# Altium PCB MainBoard.PcbDoc (part 1 of 4) (continued)
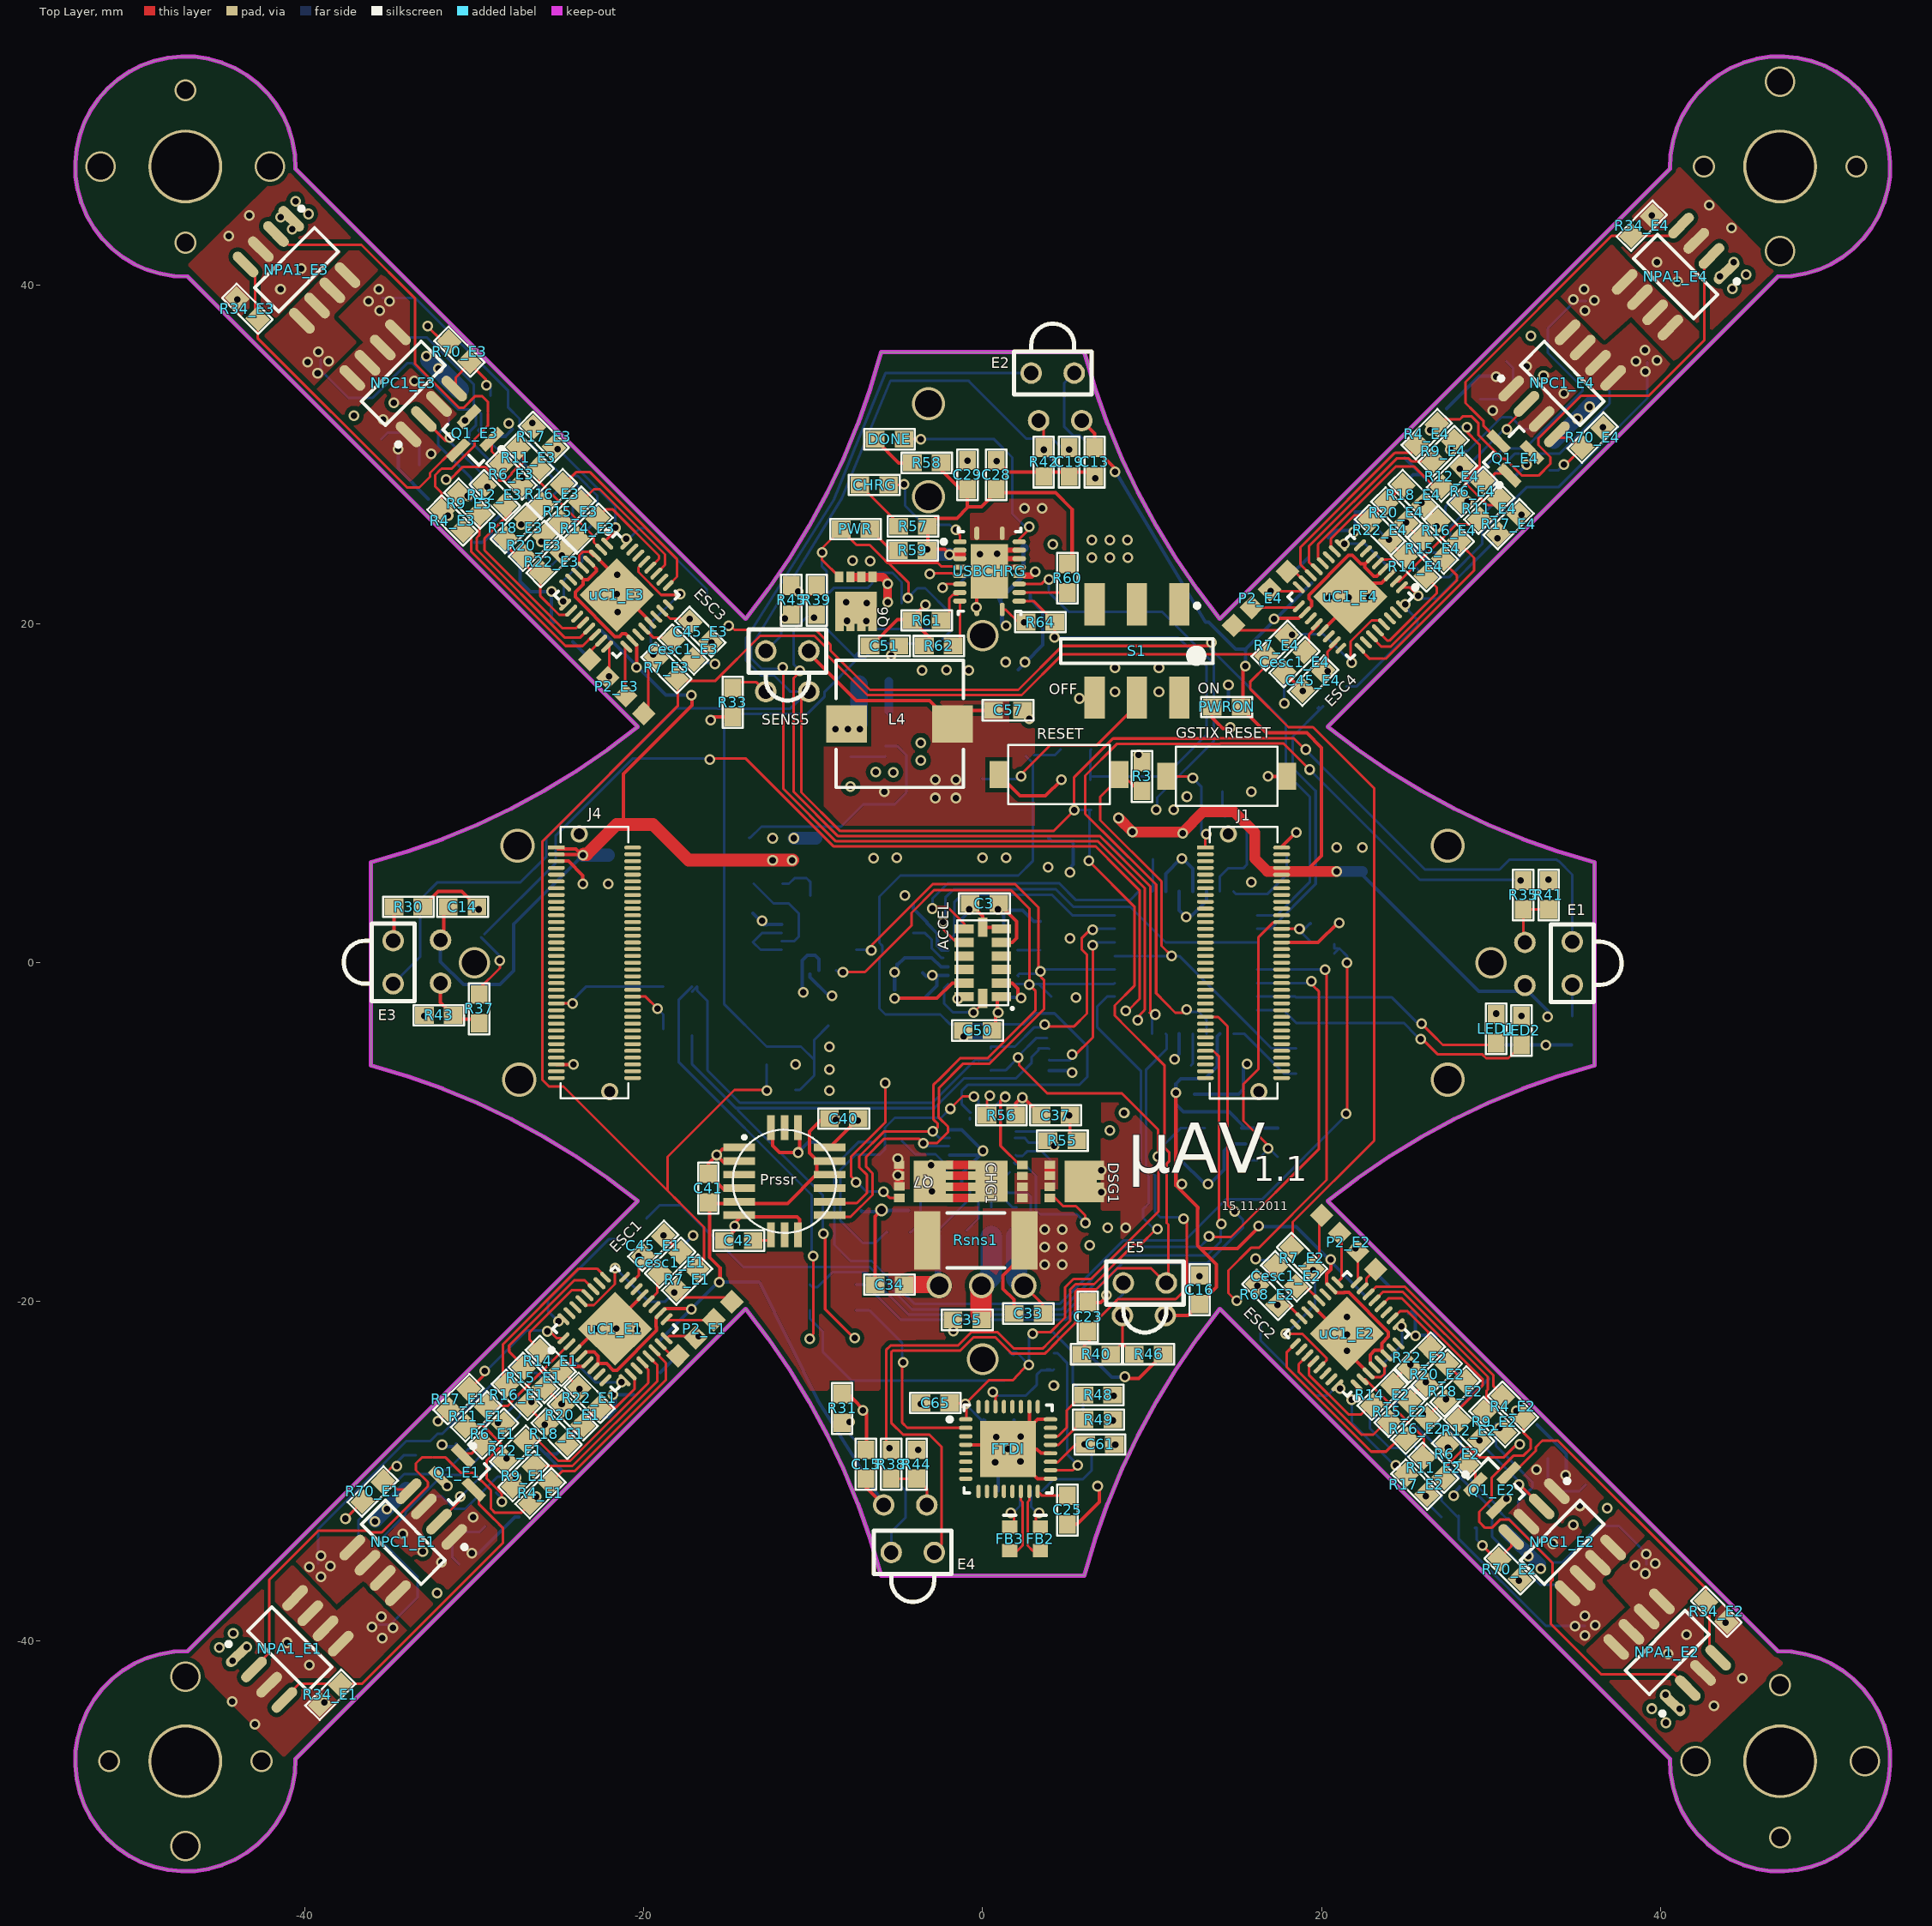
[diagram p0: Top Layer view]
## Components (designator, comment, footprint, x,y, rotation, side; value= is the part's Value field where it differs from the comment) (continued)
PWRON "LED0" 0603_RES 14.4,15.1 r180 top (schematic designator "PWR ON")
Q1_E1 "BC817-25" SOT-23 -30.683,-30.429 r315 top (schematic designator Q1)
Q1_E2 "BC817-25" SOT-23 30.4,-30.8 r45 top (schematic designator Q1)
Q1_E3 "BC817-25" SOT-23 -30.302,30.912 r225 top (schematic designator Q1)
Q1_E4 "BC817-25" SOT-23 31.1,30.1 r135 top (schematic designator Q1)
Q2_E1 "BC817-25" SOT-23 -28.7,-32.7 r225 bottom (schematic designator Q2)
Q2_E2 "BC817-25" SOT-23 32.7,-28.6 r315 bottom (schematic designator Q2)
Q2_E3 "BC817-25" SOT-23 -32.7,28.7 r135 bottom (schematic designator Q2)
Q2_E4 "BC817-25" SOT-23 28.7,32.7 r45 bottom (schematic designator Q2)
Q3_E1 "BC817-25" SOT-23 -32.512,-28.55 r225 bottom (schematic designator Q3)
Q3_E2 "BC817-25" SOT-23 28.4,-32.7 r315 bottom (schematic designator Q3)
Q3_E3 "BC817-25" SOT-23 -28.321,32.461 r135 bottom (schematic designator Q3)
Q3_E4 "BC817-25" SOT-23 32.5,28.4 r45 bottom (schematic designator Q3)
Q4 "FDN-306P" SOT-23 6.3,8.1 r90 bottom
Q5 "MOSFET-P" CSD16321Q5_PFET#1 -7.5,21.3 r90 bottom
Q6 "MOSFET-P" CSD16321Q5_PFET#2 -7.48,21.33 r90 top
Q7 "MOSFET-P" CSD16321Q5_PFET#3 -3.5,-12.9 r180 top
Q8 "MOSFET-N" CSD16321Q5 -6.3,-5.6 r180 bottom
Q10 "MOSFET-N" CSD16321Q5 -11.8,10.1 r270 bottom
R1 "Rpull" 0603_RES -11.9,-7.5 r0 bottom
R2 "Rpull" 0603_RES -11.9,-6 r0 bottom
R3 "Rpull" 0603_RES 9.4,11 r90 top
R4_E1 "Rpull" 0603_RES -26.1,-31.3 r225 top (schematic designator R4)
R4_E2 "Rpull" 0603_RES 31.3,-26.2 r315 top (schematic designator R4)
R4_E3 "Rpull" 0603_RES -31.3,26.1 r135 top (schematic designator R4)
R4_E4 "Rpull" 0603_RES 26.2,31.2 r45 top (schematic designator R4)
R5_E1 "Rpull" 0603_RES -25.425,-30.709 r225 bottom (schematic designator R5)
R5_E2 "Rpull" 0603_RES 30.7,-25.6 r315 bottom (schematic designator R5)
R5_E3 "Rpull" 0603_RES -30.6,25.4 r135 bottom (schematic designator R5)
R5_E4 "Rpull" 0603_RES 25.5,30.4 r45 bottom (schematic designator R5)
R6_E1 "Rdrive" 0603_RES -28.9,-27.8 r225 top (schematic designator R6)
R6_E2 "Rdrive" 0603_RES 28,-29 r315 top (schematic designator R6)
R6_E3 "Rdrive" 0603_RES -27.825,28.825 r135 top (schematic designator R6)
R6_E4 "Rdrive" 0603_RES 28.9,27.8 r45 top (schematic designator R6)
R7_E1 "Rpull" 0603_RES -17.45,-18.7 r45 top (schematic designator R7)
R7_E2 "Rpull" 0603_RES 18.847,-17.424 r135 top (schematic designator R7)
R7_E3 "Rpull" 0603_RES -18.669,17.399 r315 top (schematic designator R7)
R7_E4 "Rpull" 0603_RES 17.348,18.72 r225 top (schematic designator R7)
R8_E1 "Rpull" 0603_RES -20.45,-15.7 r45 bottom (schematic designator R8)
R8_E2 "Rpull" 0603_RES 15.8,-20.7 r135 bottom (schematic designator R8)
R8_E3 "Rpull" 0603_RES -15.646,20.549 r315 bottom (schematic designator R8)
R8_E4 "Rpull" 0603_RES 20.5,15.6 r225 bottom (schematic designator R8)
R9_E1 "Rpull" 0603_RES -27.1,-30.3 r225 top (schematic designator R9)
R9_E2 "Rpull" 0603_RES 30.2,-27.1 r315 top (schematic designator R9)
R9_E3 "Rpull" 0603_RES -30.3,27.1 r135 top (schematic designator R9)
R9_E4 "Rpull" 0603_RES 27.2,30.2 r45 top (schematic designator R9)
R10_E1 "Rpull" 0603_RES -26.492,-29.743 r225 bottom (schematic designator R10)
R10_E2 "Rpull" 0603_RES 29.7,-26.6 r315 bottom (schematic designator R10)
R10_E3 "Rpull" 0603_RES -29.6,26.4 r135 bottom (schematic designator R10)
R10_E4 "Rpull" 0603_RES 26.5,29.4 r45 bottom (schematic designator R10)
R11_E1 "Rdrive" 0603_RES -29.896,-26.772 r225 top (schematic designator R11)
R11_E2 "Rdrive" 0603_RES 26.6,-29.8 r315 top (schematic designator R11)
R11_E3 "Rdrive" 0603_RES -26.8,29.8 r135 top (schematic designator R11)
R11_E4 "Rdrive" 0603_RES 29.9,26.8 r45 top (schematic designator R11)
R12_E1 "Rpull" 0603_RES -27.6,-28.8 r225 top (schematic designator R12)
R12_E2 "Rpull" 0603_RES 28.7,-27.6 r315 top (schematic designator R12)
R12_E3 "Rpull" 0603_RES -28.8,27.6 r135 top (schematic designator R12)
R12_E4 "Rpull" 0603_RES 27.7,28.7 r45 top (schematic designator R12)
R13_E1 "Rpull" 0603_RES -27.508,-28.702 r225 bottom (schematic designator R13)
R13_E2 "Rpull" 0603_RES 28.7,-27.6 r315 bottom (schematic designator R13)
R13_E3 "Rpull" 0603_RES -28.6,27.5 r135 bottom (schematic designator R13)
R13_E4 "Rpull" 0603_RES 27.6,28.5 r45 bottom (schematic designator R13)
R14_E1 "Rpull" 0603_RES -25.5,-23.5 r135 top (schematic designator R14)
R14_E2 "Rpull" 0603_RES 23.6,-25.5 r225 top (schematic designator R14)
R14_E3 "Rpull" 0603_RES -23.317,25.629 r45 top (schematic designator R14)
R14_E4 "Rpull" 0603_RES 25.552,23.393 r315 top (schematic designator R14)
R15_E1 "Rpull" 0603_RES -26.5,-24.5 r135 top (schematic designator R15)
R15_E2 "Rpull" 0603_RES 24.6,-26.5 r225 top (schematic designator R15)
R15_E3 "Rpull" 0603_RES -24.333,26.619 r45 top (schematic designator R15)
R15_E4 "Rpull" 0603_RES 26.568,24.435 r315 top (schematic designator R15)
R16_E1 "Rpull" 0603_RES -27.5,-25.5 r135 top (schematic designator R16)
R16_E2 "Rpull" 0603_RES 25.6,-27.5 r225 top (schematic designator R16)
R16_E3 "Rpull" 0603_RES -25.425,27.661 r45 top (schematic designator R16)
R16_E4 "Rpull" 0603_RES 27.508,25.502 r315 top (schematic designator R16)
R17_E1 "Rpull" 0603_RES -30.937,-25.756 r225 top (schematic designator R17)
R17_E2 "Rpull" 0603_RES 25.6,-30.8 r315 top (schematic designator R17)
R17_E3 "Rpull" 0603_RES -25.908,31.039 r135 top (schematic designator R17)
R17_E4 "Rpull" 0603_RES 31.039,25.883 r45 top (schematic designator R17)
R18_E1 "Rpull" 0603_RES -25.15,-27.8 r315 top (schematic designator R18)
R18_E2 "Rpull" 0603_RES 27.9,-25.3 r45 top (schematic designator R18)
R18_E3 "Rpull" 0603_RES -27.559,25.654 r225 top (schematic designator R18)
R18_E4 "Rpull" 0603_RES 25.425,27.61 r135 top (schematic designator R18)
R19_E1 "Rpull" 0603_RES -26.746,-26.264 r225 bottom (schematic designator R19)
R19_E2 "Rpull" 0603_RES 26.3,-26.9 r315 bottom (schematic designator R19)
R19_E3 "Rpull" 0603_RES -26.1,26.9 r135 bottom (schematic designator R19)
R19_E4 "Rpull" 0603_RES 26.924,26.086 r45 bottom (schematic designator R19)
R20_E1 "Rpull" 0603_RES -24.2,-26.7 r315 top (schematic designator R20)
R20_E2 "Rpull" 0603_RES 26.8,-24.3 r45 top (schematic designator R20)
R20_E3 "Rpull" 0603_RES -26.492,24.613 r225 top (schematic designator R20)
R20_E4 "Rpull" 0603_RES 24.409,26.568 r135 top (schematic designator R20)
R21_E1 "Rpull" 0603_RES -27.762,-25.171 r225 bottom (schematic designator R21)
R21_E2 "Rpull" 0603_RES 24.9,-27.8 r315 bottom (schematic designator R21)
R21_E3 "Rpull" 0603_RES -25.019,27.915 r135 bottom (schematic designator R21)
R21_E4 "Rpull" 0603_RES 27.965,24.943 r45 bottom (schematic designator R21)
R22_E1 "Rpull" 0603_RES -23.216,-25.679 r315 top (schematic designator R22)
R22_E2 "Rpull" 0603_RES 25.8,-23.3 r45 top (schematic designator R22)
R22_E3 "Rpull" 0603_RES -25.451,23.647 r225 top (schematic designator R22)
R22_E4 "Rpull" 0603_RES 23.444,25.527 r135 top (schematic designator R22)
R23_E1 "Rpull" 0603_RES -24.9,-24 r135 bottom (schematic designator R23)
R23_E2 "Rpull" 0603_RES 24.1,-24.8 r225 bottom (schematic designator R23)
R23_E3 "Rpull" 0603_RES -24,24.8 r45 bottom (schematic designator R23)
R23_E4 "Rpull" 0603_RES 24.7,23.9 r315 bottom (schematic designator R23)
R24_E1 "Rpull" 0603_RES -22.7,-26.2 r315 bottom (schematic designator R24)
R24_E2 "Rpull" 0603_RES 26.3,-22.7 r45 bottom (schematic designator R24)
R24_E3 "Rpull" 0603_RES -26.2,22.6 r225 bottom (schematic designator R24)
R24_E4 "Rpull" 0603_RES 22.606,26.01 r135 bottom (schematic designator R24)
R25_E1 "Rpull" 0603_RES -24.079,-26.822 r315 bottom (schematic designator R25)
R25_E2 "Rpull" 0603_RES 27,-24 r45 bottom (schematic designator R25)
R25_E3 "Rpull" 0603_RES -26.7,24.1 r225 bottom (schematic designator R25)
R25_E4 "Rpull" 0603_RES 24.105,26.518 r135 bottom (schematic designator R25)
R26_E1 "Rpull" 0603_RES -25.07,-27.838 r315 bottom (schematic designator R26)
R26_E2 "Rpull" 0603_RES 28,-25 r45 bottom (schematic designator R26)
R26_E3 "Rpull" 0603_RES -27.7,25.1 r225 bottom (schematic designator R26)
R26_E4 "Rpull" 0603_RES 25.248,27.432 r135 bottom (schematic designator R26)
R27 "Res1" 0603_RES 9.2,6.1 r180 bottom
R28 "Res1" 0603_RES 34.8,-4 r90 bottom
R29 "Res1" 0603_RES 6.7,29.35 r90 bottom
R30 "Res1" 0603_RES -33.9,3.3 r180 top
R31 "Res1" 0603_RES -8.3,-26.3 r270 top
R32 "Res1" 0603_RES 6.2,-22.2 r90 bottom
R33 "Res1" 0603_RES -14.757,15.367 r90 top
R34_E1 "Rpull" 0603_RES -38.5,-43.2 r45 top (schematic designator R34)
R34_E2 "Rpull" 0603_RES 43.3,-38.3 r135 top (schematic designator R34)
R34_E3 "Rpull" 0603_RES -43.4,38.6 r315 top (schematic designator R34)
R34_E4 "Rpull" 0603_RES 38.9,43.5 r225 top (schematic designator R34)
R35 "Res1" 0603_RES 31.9,4 r270 top
R36 "Res1" 0603_RES 5.2,29.35 r270 bottom
R37 "Res1" 0603_RES -29.718,-2.718 r270 top
R38 "Res1" 0603_RES -5.4,-29.6 r270 top
R39 "Res1" 0603_RES -9.8,21.4 r90 top
R40 "Res1" 0603_RES 6.7,-23.1 r0 top
R41 "Res1" 0603_RES 33.4,4 r270 top
R42 "Res1" 0603_RES 3.6,29.55 r90 top
R43 "Res1" 0603_RES -32.1,-3.1 r0 top
R44 "Res1" 0603_RES -3.9,-29.6 r270 top
R45 "Res1" 0603_RES -11.3,21.4 r270 top
R46 "Res1" 0603_RES 9.8,-23.1 r180 top
R47 "Rpull" 0603_RES 4.9,-2 r0 bottom
R48 "Rpull" 0603_RES 6.821,-25.514 r180 top
R49 "Rpull" 0603_RES 6.833,-26.966 r180 top
R50 "Rpull" 0603_RES -4.5,20.6 r90 bottom
R51 "Rpull" 0603_RES -6.4,18 r180 bottom
R52 "" 0603_RES 2,-15.3 r270 bottom
R53 "" 0603_RES 0.5,-15.5 r270 bottom
R54 "" 0603_RES -1.829,-15.85 r180 bottom
R55 "" 0603_RES 4.7,-10.5 r180 top
R56 "" 0603_RES 1.1,-9 r180 top
R57 "Rpull" 0603_RES -4.115,25.756 r0 top
R58 "Rpull" 0603_RES -3.3,29.5 r0 top
R59 "Rpull" 0603_RES -4.14,24.333 r0 top
R60 "Rpull" 0603_RES 5,22.7 r270 top
R61 "Rpull" 0603_RES -3.3,20.2 r0 top
R62 "Rpull" 0603_RES -2.591,18.694 r0 top
R63 "" 0603_RES -5.715,-10.439 r0 bottom
R64 "Rpull" 0603_RES 3.4,20.1 r0 top
R65 "Rpull" 0603_RES 5.5,10.8 r180 bottom
R66 "Rpull" 0603_RES 5.1,0.6 r90 bottom
R67_E1 "Rpull" 0603_RES -18.45,-17.7 r45 bottom (schematic designator R67)
R67_E2 "Rpull" 0603_RES 17.9,-18.5 r135 bottom (schematic designator R67)
R67_E3 "Rpull" 0603_RES -17.678,18.491 r315 bottom (schematic designator R67)
R67_E4 "Rpull" 0603_RES 18.4,17.7 r225 bottom (schematic designator R67)
R68_E1 "Rpull" 0603_RES -19.45,-16.7 r225 bottom (schematic designator R68)
R68_E2 "Rpull" 0603_RES 16.8,-19.6 r315 top (schematic designator R68)
R68_E3 "Rpull" 0603_RES -16.662,19.533 r135 bottom (schematic designator R68)
R68_E4 "Rpull" 0603_RES 19.5,16.65 r45 bottom (schematic designator R68)
R69_E1 "Rpull" 0603_RES -31.6,-36.6 r45 bottom (schematic designator R69)
R69_E2 "Rpull" 0603_RES 36.2,-31.4 r135 bottom (schematic designator R69)
R69_E3 "Rpull" 0603_RES -36.6,31.7 r315 bottom (schematic designator R69)
R69_E4 "Rpull" 0603_RES 31.6,36.3 r225 bottom (schematic designator R69)
R70_E1 "Rpull" 0603_RES -36,-31.2 r45 top (schematic designator R70)
R70_E2 "Rpull" 0603_RES 31.1,-35.8 r135 top (schematic designator R70)
R70_E3 "Rpull" 0603_RES -30.886,36.068 r315 top (schematic designator R70)
R70_E4 "Rpull" 0603_RES 36,31 r225 top (schematic designator R70)
R71 "Rpull" 0603_RES 20.2,0.85 r180 bottom
R72 "Rpull" 0603_RES 20.2,2.35 r0 bottom
R73 "Rpull" 0603_RES 17.4,-10.6 r270 bottom
R74 "Rpull" 0603_RES 30.3,-3.9 r90 bottom
R75 "Rpull" 0603_RES 31.8,-4 r90 bottom
R76_E1 "Rpull" 0603_RES -19.7,-24.9 r45 bottom (schematic designator R76)
R76_E2 "Rpull" 0603_RES 24.8,-19.8 r135 bottom (schematic designator R76)
R76_E3 "Rpull" 0603_RES -24.7,19.5 r315 bottom (schematic designator R76)
R76_E4 "Rpull" 0603_RES 19.71,24.638 r225 bottom (schematic designator R76)
R77 "Rpull" 0603_RES 14.5,14.4 r270 bottom
Reg1 "1.8V LDO Regulator" SOT23-STD-5-Lead 14.3,-10.7 r180 bottom
RESET "SW-PB" SM_SW 4.5,11.1 r180 top (schematic designator SW2)
Rsns1 "" CRA2512 -0.406,-16.383 r0 top
Rsns2 "Rpull" CRA2512 10.7,12.2 r90 bottom
RX1 "LED0" 0603_RES 6.833,-26.966 r0 bottom
S1 "SW DPDT" SPDT 9.1,18.4 r270 top
SENS1 "SDP8436" T-1SL 32,1.2 r270 bottom (schematic designator D8)
SENS2 "SDP8436" T-1SL 3.3,32 r0 bottom (schematic designator D9)
SENS3 "SDP8436" T-1SL -32,-1.2 r90 bottom (schematic designator D10)
SENS4 "SDP8436" T-1SL -3.3,-32 r180 bottom (schematic designator D11)
SENS5 "SDP8436" T-1SL -12.8,18.4 r0 top (schematic designator D12)
SENS6 "SDP8436" T-1SL 8.242,-20.827 r0 bottom (schematic designator D13)
Temp "Res Thermal" RESC2012N 5.5,12.6 r0 bottom (schematic designator RT1)
TX1 "LED0" 0603_RES 6.821,-25.514 r0 bottom
uC1_E1 "ATmega8L-8MI" 32M1-A_M -21.7,-21.6 r45 top (schematic designator uC1)
uC1_E2 "ATmega8L-8MI" 32MCU 21.5,-21.9 r135 top (schematic designator uC1)
uC1_E3 "ATmega8L-8MI" 32MCU -21.6,21.7 r315 top (schematic designator uC1)
uC1_E4 "ATmega8L-8MI" 32MCU 21.7,21.6 r225 top (schematic designator uC1)
USBCHRG "Bq24103" QFN50P350X450X 0.4,23.1 r0 top (schematic designator Chrg1)
Vtrans "Vtrans_2Bit" TSOP65P400X130-8N 2.2,-5.4 r0 bottom (schematic designator Vtrans1)
XTAL "XTAL" "XTAL 16MHZ" 16.154,7.62 r0 bottom

## Footprints (in the part's own frame and the unit in brackets; to place one, negate y for a bottom-side part, rotate by r counter-clockwise, add the part's x,y. Pads: shape width x height; smd on the part's side, far side on the other; paste and mask are expansions set on the pad)
32A_N [mm] "Thin QFP, 32-Leads, Body 7x7mm, Pitch 0.8mm, IPC Medium Density"
  oval 1.65x0.55 smd: 1(-4.2,2.8) 2(-4.2,2) 3(-4.2,1.2) 4(-4.2,0.4) 5(-4.2,-0.4) 6(-4.2,-1.2) 7(-4.2,-2) 8(-4.2,-2.8) 17(4.2,-2.8) 18(4.2,-2) 19(4.2,-1.2) 20(4.2,-0.4) 21(4.2,0.4) 22(4.2,1.2) 23(4.2,2) 24(4.2,2.8)
  oval 0.55x1.65 smd: 9(-2.8,-4.2) 10(-2,-4.2) 11(-1.2,-4.2) 12(-0.4,-4.2) 13(0.4,-4.2) 14(1.2,-4.2) 15(2,-4.2) 16(2.8,-4.2) 25(2.8,4.2) 26(2,4.2) 27(1.2,4.2) 28(0.4,4.2) 29(-0.4,4.2) 30(-1.2,4.2) 31(-2,4.2) 32(-2.8,4.2)
  silkscreen extent -4.35,-2.95 2.95,3.8, body extent -3.5,-3.5 3.5,3.5, height 1.2
32M1-A_M [mm] "QFN, 32-Leads, Body 5x5mm, Pitch 0.5mm, IPC Low Density"
  oval 0.9x0.25 smd: 1(-2.55,1.75) 2(-2.55,1.25) 3(-2.55,0.75) 4(-2.55,0.25) 5(-2.55,-0.25) 6(-2.55,-0.75) 7(-2.55,-1.25) 8(-2.55,-1.75) 17(2.55,-1.75) 18(2.55,-1.25) 19(2.55,-0.75) 20(2.55,-0.25) 21(2.55,0.25) 22(2.55,0.75) 23(2.55,1.25)
  oval 0.25x0.9 smd: 9(-1.75,-2.55) 10(-1.25,-2.55) 11(-0.75,-2.55) 12(-0.25,-2.55) 13(0.25,-2.55) 14(0.75,-2.55) 15(1.25,-2.55) 16(1.75,-2.55) 26(1.25,2.55) 27(0.75,2.55) 28(0.25,2.55) 29(-0.25,2.55) 30(-0.75,2.55) 31(-1.25,2.55) 32(-1.75,2.55)
  oval 0.8x0.25 smd: 24(2.55,1.75)
  oval 0.25x0.8 smd: 25(1.75,2.55)
  rect 3.1x3.1 smd: 33(0,0)
  silkscreen extent -3.67,-2.6 2.6,2.6, body extent -2.58,-2.58 2.58,2.58, height 1
32MCU [mm] "32-Pin Quad Flat No-Lead 0.5 mm Pitch, IPC Low Density"
  oval 0.9x0.25 smd: 1(-2.55,1.75) 2(-2.55,1.25) 3(-2.55,0.75) 4(-2.55,0.25) 5(-2.55,-0.25) 6(-2.55,-0.75) 7(-2.55,-1.25) 8(-2.55,-1.75) 17(2.55,-1.75) 18(2.55,-1.25) 19(2.55,-0.75) 20(2.55,-0.25) 21(2.55,0.25) 22(2.55,0.75) 23(2.55,1.25)
  oval 0.25x0.9 smd: 9(-1.75,-2.55) 10(-1.25,-2.55) 11(-0.75,-2.55) 12(-0.25,-2.55) 13(0.25,-2.55) 14(0.75,-2.55) 15(1.25,-2.55) 16(1.75,-2.55) 26(1.25,2.55) 27(0.75,2.55) 28(0.25,2.55) 29(-0.25,2.55) 30(-0.75,2.55) 31(-1.25,2.55) 32(-1.75,2.55)
  oval 0.8x0.25 smd: 24(2.55,1.75)
  oval 0.25x0.8 smd: 25(1.75,2.55)
  rect 3.1x3.1 smd: 33(0,0)
  silkscreen extent -3.22,-2.6 2.6,2.6, body extent -2.58,-2.58 2.58,2.58, height 1
0603_CAP [mm] "Chip Resistor; Body 1.6 x 0.8 mm (LxW typ)"
  rect 1.1x1 smd: 1(-0.85,0) 2(0.85,0)
  silkscreen extent -1.5,-0.6 1.5,0.6, body extent -0.9,-0.6 0.9,0.6, height 1
0603_Cap [mm] "Chip Resistor; Body 1.6 x 0.8 mm (LxW typ)"
  rect 1.1x1 smd: 1(-0.85,0) 2(0.85,0)
  silkscreen extent -1.5,-0.6 1.5,0.6, body extent -0.9,-0.6 0.9,0.6, height 1
0603_RES [mm] "Chip Resistor; Body 1.6 x 0.8 mm (LxW typ)"
  rect 1.1x1 smd: 1(-0.85,0) 2(0.85,0)
  silkscreen extent -1.5,-0.6 1.5,0.6, body extent -0.9,-0.6 0.9,0.6, height 1
C [mm] "Capacitor, SM Tantalum; Body 6.0 x 3.2 mm (LxW typ)"
  rect 2.6x2.2 smd: 1(-2.5,0) 2(2.5,0)
  silkscreen extent -3.92,-1.75 3.15,1.87, body extent -3,-1.75 3,1.75, height 2.5
CRA2512 [mm] "Chip Resistor, 2-Leads, Body 6.4x3.2mm, IPC Medium Density"
  rect 1.55x3.45 smd: 1(-2.875,0) 2(2.875,0)
  silkscreen extent -1.7,-1.63 1.7,1.63, body extent -3.3,-1.7 3.3,1.7, height 0.8
CSD16321Q5 [mm]
  rect 0.75x0.675 smd: 1(-2.775,-0.678) 1(-2.772,-1.951) 1(-2.77,0.625) 1(-2.767,1.933) 2(2.765,1.951) 3(2.755,-1.949) 3(2.765,-0.679) 3(2.775,0.621)
  rect 4.3x4.56 smd: 1(-0.315,-0.009)
  body extent -3.15,-2.29 3.13,2.27, height 1.05
CSD16321Q5_PFET#1 [mm]
  rect 0.63x0.5 smd: 1(1.435,0.32) 1(1.435,-0.325) 1(1.435,-0.98) 2(1.435,0.975) 3(-1.435,-0.975) 3(-1.435,-0.325) 3(-1.435,0.325) 3(-1.435,0.975)
  rect 1.9x2.45 smd: 3(-0.385,0.005)
  body extent -1.82,-1.32 1.79,1.28, height 1.05
CSD16321Q5_PFET#2 [mm]
  rect 0.63x0.5 smd: 1(1.435,-0.325) 1(1.435,0.325) 1(1.435,-0.98) 2(1.44,0.99) 3(-1.435,-0.975) 3(-1.435,-0.325) 3(-1.435,0.325) 3(-1.435,0.975)
  rect 1.9x2.45 smd: 3(-0.385,0.005)
  body extent -1.82,-1.32 1.79,1.28, height 1.05
CSD16321Q5_PFET#3 [mm]
  rect 0.63x0.5 smd: 1(1.425,0.3) 1(1.435,-0.325) 1(1.435,-0.98) 2(1.425,0.975) 3(-1.435,0.975) 3(-1.435,-0.325) 3(-1.435,0.325) 3(-1.435,-0.975)
  rect 1.9x2.45 smd: 3(-0.385,0.005)
  body extent -1.82,-1.32 1.79,1.28, height 1.05
D [mm] "Capacitor, SM Tantalum; Body 7.3 x 4.3 mm (LxW typ)"
  rect 2.6x2.4 smd: 1(-3.2,0) 2(3.2,0)
  silkscreen extent -4.58,-2.3 3.8,2.42
"DC Power JAck" [mm] "DC Power Jack, 2.5mm,  PJ1-022-SMT"
  rect 2.5x2 smd: 1(1.5,0.05)
  rect 3.5x2.3 smd: 2(-1.5,-3.45)
  rect 3.4x2.5 smd: 3(-0.5,3.45)
  silkscreen extent -10.5,-4.15 2,4.05, body extent -10.5,-4.15 2,4.05, height 5
DIODE [mm] "Molded Diode, 2-Leads, Body 4.4x3.6mm, IPC Medium Density"
  rect 2.5x2.05 smd: 1(-1.6,0) 2(1.6,0)
  silkscreen extent -3.13,-2 2.35,2, body extent -2.35,-1.97 2.35,1.97, height 2.44
GUMSTIX [mm]
  rect 1x0.23 smd: 1(42.097,6.8) 71(3.795,6.8)
  oval 1x0.23 smd: 2(42.097,6.4) 3(42.097,6) 4(42.097,5.6) 5(42.097,5.2) 6(42.097,4.8) 7(42.097,4.4) 8(42.097,4) 9(42.097,3.6) 10(42.097,3.2) 11(42.097,2.8) 12(42.097,2.4) 13(42.097,2) 14(42.097,1.6) 15(42.097,1.2) 16(42.097,0.8) 17(42.097,0.4) 18(42.097,0) 19(42.097,-0.4) 20(42.097,-0.8) 21(42.097,-1.2) 22(42.097,-1.6) 23(42.097,-2) 24(42.097,-2.4) 25(42.097,-2.8) 26(42.097,-3.2) 27(42.097,-3.6) 28(42.097,-4) 29(42.097,-4.4) 30(42.097,-4.8) 31(42.097,-5.2) 32(42.097,-5.6) 33(42.097,-6) 34(42.097,-6.4) 35(42.097,-6.8) 36(46.597,-6.8) 37(46.597,-6.4) 38(46.597,-6) 39(46.597,-5.6) 40(46.597,-5.2) 41(46.597,-4.8) 42(46.597,-4.4) 43(46.597,-4) 44(46.597,-3.6) 45(46.597,-3.2) 46(46.597,-2.8) 47(46.597,-2.4) 48(46.597,-2) 49(46.597,-1.6) 50(46.597,-1.2) 51(46.597,-0.8) 52(46.597,-0.4) 53(46.597,0) 54(46.597,0.4) 55(46.597,0.8) 56(46.597,1.2) 57(46.597,1.6) 58(46.597,2) 59(46.597,2.4) 60(46.597,2.8) 61(46.597,3.2) 62(46.597,3.6) 63(46.597,4) 64(46.597,4.4) 65(46.597,4.8) 66(46.597,5.2) 67(46.597,5.6) 68(46.597,6) 69(46.597,6.4) 70(46.597,6.8) 72(3.795,6.4) 73(3.795,6) 74(3.795,5.6) 75(3.795,5.2) 76(3.795,4.8) 77(3.795,4.4) 78(3.795,4) 79(3.795,3.6) 80(3.795,3.2) 81(3.795,2.8) 82(3.795,2.4) 83(3.795,2) 84(3.795,1.6) 85(3.795,1.2) 86(3.795,0.8) 87(3.795,0.4) 88(3.795,0) 89(3.795,-0.4) 90(3.795,-0.8) 91(3.795,-1.2) 92(3.795,-1.6) 93(3.795,-2) 94(3.795,-2.4) 95(3.795,-2.8) 96(3.795,-3.2) 97(3.795,-3.6) 98(3.795,-4) 99(3.795,-4.4) 100(3.795,-4.8) 101(3.795,-5.2) 102(3.795,-5.6) 103(3.795,-6) 104(3.795,-6.4) 105(3.795,-6.8) 106(8.295,-6.8) 107(8.295,-6.4) 108(8.295,-6) 109(8.295,-5.6) 110(8.295,-5.2) 111(8.295,-4.8) 112(8.295,-4.4) 113(8.295,-4) 114(8.295,-3.6) 115(8.295,-3.2) 116(8.295,-2.8) 117(8.295,-2.4) 118(8.295,-2) 119(8.295,-1.6) 120(8.295,-1.2) 121(8.295,-0.8) 122(8.295,-0.4) 123(8.295,0) 124(8.295,0.4) 125(8.295,0.8) 126(8.295,1.2) 127(8.295,1.6) 128(8.295,2) 129(8.295,2.4) 130(8.295,2.8) 131(8.295,3.2) 132(8.295,3.6) 133(8.295,4) 134(8.295,4.4) 135(8.295,4.8) 136(8.295,5.2) 137(8.295,5.6) 138(8.295,6) 139(8.295,6.4) 140(8.295,6.8)
  silkscreen extent 4.04,-8.01 46.35,8.01, body extent 0,-8.6 58,8.6, height 4.16
HMC5843 [mm] "LCC, 20-Pins, Body 4.0x4.0mm (max), Pitch 0.50mm, IPC Medium Density"
  oval 0.3x1.05 smd: 1(-1,2.2) 2(-0.5,2.2) 3(0,2.2) 4(0.5,2.2) 5(1,2.2) 11(1,-2.2) 12(0.5,-2.2) 13(0,-2.2) 14(-0.5,-2.2) 15(-1,-2.2)
  oval 1.05x0.3 smd: 6(2.2,1) 7(2.2,0.5) 8(2.2,0) 9(2.2,-0.5) 10(2.2,-1) 16(-2.2,-1) 17(-2.2,-0.5) 18(-2.2,0) 19(-2.2,0.5) 20(-2.2,1)
  silkscreen extent -2,-2 2,2, body extent -2,-2 2,2, height 1.46
INDC1608L [mm] "Chip Inductor, Body 1.6x0.8mm, IPC High Density"
  rect 0.8x0.9 smd: 1(-0.7,0) 2(0.7,0)
  silkscreen extent -1.4,-0.35 -1.4,0.35, body extent -0.87,-0.48 0.87,0.48, height 0.55
INDM7575X45N [mm] "Molded Inductor, 2-Leads, Body 7.5x7.5mm, IPC Medium Density"
  rect 2.4x2.2 smd: 1(-3.125,0) 2(3.125,0)
  silkscreen extent -3.75,-3.75 3.75,3.75, body extent -3.75,-3.75 3.75,3.75, height 4.5
JUMPER [mm]
  rect 1x1 smd: 1(1,-1) 2(1,-2.6) 3(1,-4.1)
  silkscreen extent 0,-5 2,-0.1
LGA14P3X5 [mm] "14-Terminal Land Grid Array"
  rect 1.145x0.55 smd: 1(-1.097,2) 2(-1.097,1.2) 3(-1.097,0.4) 4(-1.097,-0.4) 5(-1.097,-1.2) 6(-1.097,-2) 8(1.097,-2) 9(1.097,-1.2) 10(1.097,-0.4) 11(1.097,0.4) 12(1.097,1.2) 13(1.097,2)
  rect 0.55x1.145 smd: 7(0,-2.098) 14(0,2.097)
  silkscreen extent -1.8,-2.5 1.5,2.75, body extent -1.5,-2.5 1.5,2.5, height 1
microUSB [mm]
  rect 0.4x1.4 smd: 1(-1.3,4.325) 2(-0.65,4.325) 3(0,4.325) 4(0.65,4.325) 5(1.3,4.325)
  rect 1.9x1.9 smd: SHIELD1(-1.2,1.45) SHIELD2(1.2,1.45)
  rect 1.45x1.3 smd: SHIELD3(-3.425,1.45) SHIELD4(3.425,1.45)
  rect 1.6x1.4 smd: SHIELD4(-3.2,4.1) SHIELD5(3.2,4.1)
  silkscreen extent -3.75,-0.7 3.75,5, body extent -4,-0.8 3.98,4.63, height 2.67
"MOTOR COMBO" [mm]
  rect 1.524x1.524 smd far side rot 45: 1(-11.6,-7.9) 2(-9.8,-9.7) 3(-8,-11.5)
  body extent -31.64,-31.05 31.7,31.05, height 6.25
OSCILLATOR [mm]
  rect 1x0.9 smd: 1(-1.625,0) 2(0,0) 3(0,1.225) 4(-1.625,1.225)
  silkscreen extent -2.32,-0.64 0.7,1.87, body extent -2.23,-0.55 0.6,1.78, height 0.95
PRG_HEADER [mm]
  rect 1x1 smd: 1(0,2.25) 2(0,0.75) 3(0,-0.75) 4(0,-2.25)
  body extent -0.5,-2.5 0.5,2.5, height 0
QFN50P350X450X [mm] "QFN, 20-Leads, Body 4.7x3.7mm (max), Pitch 1.50mm, Pitch1 0.50mm, IPC Medium Density"
  oval 0.3x0.8 smd: 1(-0.75,2.25) 10(-0.75,-2.25) 11(0.75,-2.25) 20(0.75,2.25)
  oval 0.8x0.3 smd: 2(-1.75,1.75) 3(-1.75,1.25) 4(-1.75,0.75) 5(-1.75,0.25) 6(-1.75,-0.25) 7(-1.75,-0.75) 8(-1.75,-1.25) 9(-1.75,-1.75) 12(1.75,-1.75) 13(1.75,-1.25) 14(1.75,-0.75) 15(1.75,-0.25) 16(1.75,0.25) 17(1.75,0.75) 18(1.75,1.25) 19(1.75,1.75)
  rect 2.2x3.2 smd: 21(0,0)
  silkscreen extent -2.82,-2.55 1.85,2.55, body extent -1.83,-2.32 1.83,2.33, height 1
QFN50P400X400X [mm] "QFN, 24-Leads, Body 4.1x4.1mm (max), Pitch 0.50mm, IPC Medium Density"
  rect 0.6x0.25 smd: 1(-2.05,1.25) 2(-2.05,0.75) 3(-2.05,0.25) 4(-2.05,-0.25) 5(-2.05,-0.75) 6(-2.05,-1.25) 13(2.05,-1.25) 14(2.05,-0.75) 15(2.05,-0.25) 16(2.05,0.25) 17(2.05,0.75) 18(2.05,1.25)
  rect 0.25x0.6 smd: 7(-1.25,-2.05) 8(-0.75,-2.05) 9(-0.25,-2.05) 10(0.25,-2.05) 11(0.75,-2.05) 12(1.25,-2.05) 19(1.25,2.05) 20(0.75,2.05) 21(0.25,2.05) 22(-0.25,2.05) 23(-0.75,2.05) 24(-1.25,2.05)
  rect 2.7x2.7 smd: 25(0,0)
  silkscreen extent -2.82,-2.05 2.05,2.05, body extent -2.05,-2.05 2.05,2.05, height 0.95
QFN50P400X400X90-24N [mm] "QFN, 24-Leads, Body 4.1x4.1mm (max), Pitch 0.50mm, IPC Medium Density"
  oval 0.8x0.25 smd: 1(-1.95,1.25) 2(-1.95,0.75) 3(-1.95,0.25) 4(-1.95,-0.25) 5(-1.95,-0.75) 6(-1.95,-1.25) 13(1.95,-1.25) 14(1.95,-0.75) 15(1.95,-0.25) 16(1.95,0.25) 17(1.95,0.75) 18(1.95,1.25)
  oval 0.25x0.8 smd: 7(-1.25,-1.95) 8(-0.75,-1.95) 9(-0.25,-1.95) 10(0.25,-1.95) 11(0.75,-1.95) 12(1.25,-1.95) 19(1.25,1.95) 20(0.75,1.95) 21(0.25,1.95) 22(-0.25,1.95) 23(-0.75,1.95) 24(-1.25,1.95)
  rect 1.3x1.3 smd: 25(0,0)
  silkscreen extent -2.42,-2.05 2.05,2.5, body extent -2.05,-2.05 2.05,2.05, height 0.9
QFN-32 [mm] "32-Pin QFN 0.5 mm Pitch"
  oval 0.8x0.25 smd: 1(-2.5,1.75) 2(-2.5,1.25) 3(-2.5,0.75) 4(-2.5,0.25) 5(-2.5,-0.25) 6(-2.5,-0.75) 7(-2.5,-1.25) 8(-2.5,-1.75) 17(2.5,-1.75) 18(2.5,-1.25) 19(2.5,-0.75) 20(2.5,-0.25) 21(2.5,0.25) 22(2.5,0.75) 23(2.5,1.25) 24(2.5,1.75)
  oval 0.25x0.8 smd: 9(-1.75,-2.5) 10(-1.25,-2.5) 11(-0.75,-2.5) 12(-0.25,-2.5) 13(0.25,-2.5) 14(0.75,-2.5) 15(1.25,-2.5) 16(1.75,-2.5) 25(1.75,2.5) 26(1.25,2.5) 27(0.75,2.5) 28(0.25,2.5) 29(-0.25,2.5) 30(-0.75,2.5) 31(-1.25,2.5) 32(-1.75,2.5)
  rect 3.3x3.3 smd: 33(0,0)
  silkscreen extent -3.57,-2.6 2.6,2.6, body extent -2.58,-2.58 2.58,2.58, height 0.8
RESC2012N [mm] "Chip Resistor, Body 2.0x1.2mm, IPC Medium Density"
  rect 1.2x1.4 smd: 1(-0.9,0) 2(0.9,0)
  silkscreen extent 0,-0.6 0,0.6, body extent -1.07,-0.7 1.07,0.7, height 0.7
SCP1000-D11 [mm]
  rect 1.87x0.45 smd: 1(-2.67,2) 2(-2.67,1.2) 3(-2.67,0.4) 4(-2.67,-0.4) 5(-2.67,-1.2) 6(-2.67,-2) 9(2.67,-2) 10(2.67,-1.2) 11(2.67,-0.4) 12(2.67,0.4) 13(2.67,1.2) 14(2.67,2)
  rect 0.45x1.47 smd: 7(-0.8,-3.16) 8(0.8,-3.16) 15(0.8,3.16) 16(-0.8,3.16) NC(0,-3.16) NC(0,3.16)
  silkscreen extent -3.05,-3.05 3.05,3.05, body extent -3,-3.05 3.08,3.04, height 1.7
SM_SW [mm]
  rect 1.1x1.6 smd: 1(-3.55,0) 2(3.55,0)
  silkscreen extent -3,-1.75 3,1.75, body extent -3,-1.75 3,1.75, height 3.5
SOIC127P600-8L [mm] "SOIC, 8-Leads, Body 4.9x3.9mm, Pitch 1.27mm, IPC High Density"
  oval 1.9x0.6 smd: 1(-2.35,1.905) 2(-2.35,0.635) 3(-2.35,-0.635) 4(-2.35,-1.905) 5(2.35,-1.905) 6(2.35,-0.635) 7(2.35,0.635) 8(2.35,1.905)
  silkscreen extent -2.47,-2.5 1,2.88, body extent -2,-2.5 2,2.5, height 1.75
SOT23-STD-5-Lead [mm] "SOT23, 5-Leads, Body 3.0x3.0mm (max), Pitch 0.95mm, IPC Medium Density"
  rect 1.1x0.6 smd: 1(-1.2,0.95) 2(-1.2,0) 3(-1.2,-0.95) 4(1.2,-0.95) 5(1.2,0.95)
  silkscreen extent -1.33,-1.5 0.25,1.92, body extent -0.87,-1.52 0.87,1.53, height 1.45
SOT95P280X145-5N [mm] "SOT23, 5-Leads, Body 3.0x3.0mm (max), Pitch 0.95mm, IPC Medium Density"
  rect 1.1x0.6 smd: 1(-1.2,0.95) 2(-1.2,0) 3(-1.2,-0.95) 4(1.2,-0.95) 5(1.2,0.95)
  silkscreen extent -1.33,-1.5 0.25,1.92, body extent -0.87,-1.52 0.87,1.53, height 1.45
SOT-23 [mm] "SOT23, 3-Leads, Body 3.0x2.6mm (max), Pitch 0.95mm, IPC Medium Density"
  rect 1.55x0.55 smd: 1(-0.925,0.95) 2(-0.925,-0.95) 3(0.925,0)
  silkscreen extent -1.05,-1.5 0.7,1.9, body extent -0.7,-1.5 0.7,1.5, height 1.1
SPDT [mm]
  rect 2.5x1.2 smd: 1(-2.75,2.5) 2(-2.75,0) 3(-2.75,-2.5) 4(2.75,-2.5) 5(2.75,0) 6(2.75,2.5)
  silkscreen extent -2.8,-4.5 0.72,4.5, body extent -1.5,-4.5 1.5,4.5, height 5
T-1SL [mil]
  round 50 hole 33.62: 1(100,0) 2(0,0)
  silkscreen extent -40,-115 140,50
TSOP65P400X130-8N [mm] "TSOP, 8-Leads, Body 3.2x2.9mm (max), Pitch 0.65mm, IPC Medium Density"
  oval 1.6x0.35 smd: 1(-1.725,0.975) 2(-1.725,0.325) 3(-1.725,-0.325) 4(-1.725,-0.975) 5(1.725,-0.975) 6(1.725,-0.325) 7(1.725,0.325) 8(1.725,0.975)
  silkscreen extent -1.1,-1.6 0.53,1.97, body extent -1.45,-1.58 1.45,1.57, height 1.3
TSOP65P640X120_HS-16N [mm] "TSOP, 16-Leads, Body 5.1x4.5mm (max), Pitch 0.65mm, IPC Medium Density"
  oval 1.7x0.35 smd: 1(-2.85,2.275) 2(-2.85,1.625) 3(-2.85,0.975) 4(-2.85,0.325) 5(-2.85,-0.325) 6(-2.85,-0.975) 7(-2.85,-1.625) 8(-2.85,-2.275) 9(2.85,-2.275) 10(2.85,-1.625) 11(2.85,-0.975) 12(2.85,-0.325) 13(2.85,0.325) 14(2.85,0.975) 15(2.85,1.625) 16(2.85,2.275)
  rect 2.1x1.8 smd: 17(0,0)
  silkscreen extent -4.35,-2.55 1.6,2.55, body extent -2.25,-2.55 2.25,2.55, height 1.2
"TURNIGY NANOTECH 2CELL" [mm] "LiPo 2 cell battery 7.4V"
  round 1.5 hole 1.1: 1(-25.02,19.05) 2(-27.52,19.05) 3(-30.02,19.05)
  silkscreen extent -55,-15 0,22.2, body extent -55,-15 0,22.16, height 11
"XTAL 16MHZ" [mm] "16Mhz XTAL"
  rect 1.9x1.1 smd: 1(-1.85,-1.3) 2(1.85,1.15) 3(1.85,-1.3)
  rect 1.9x1 smd: 4(-1.835,1.28)
  silkscreen extent -3.14,-2.14 2.5,1.6, body extent -2.5,-1.6 2.5,1.6, height 1